# Altium PCB PCB_Incense.PcbDoc (part 1 of 3) (continued)
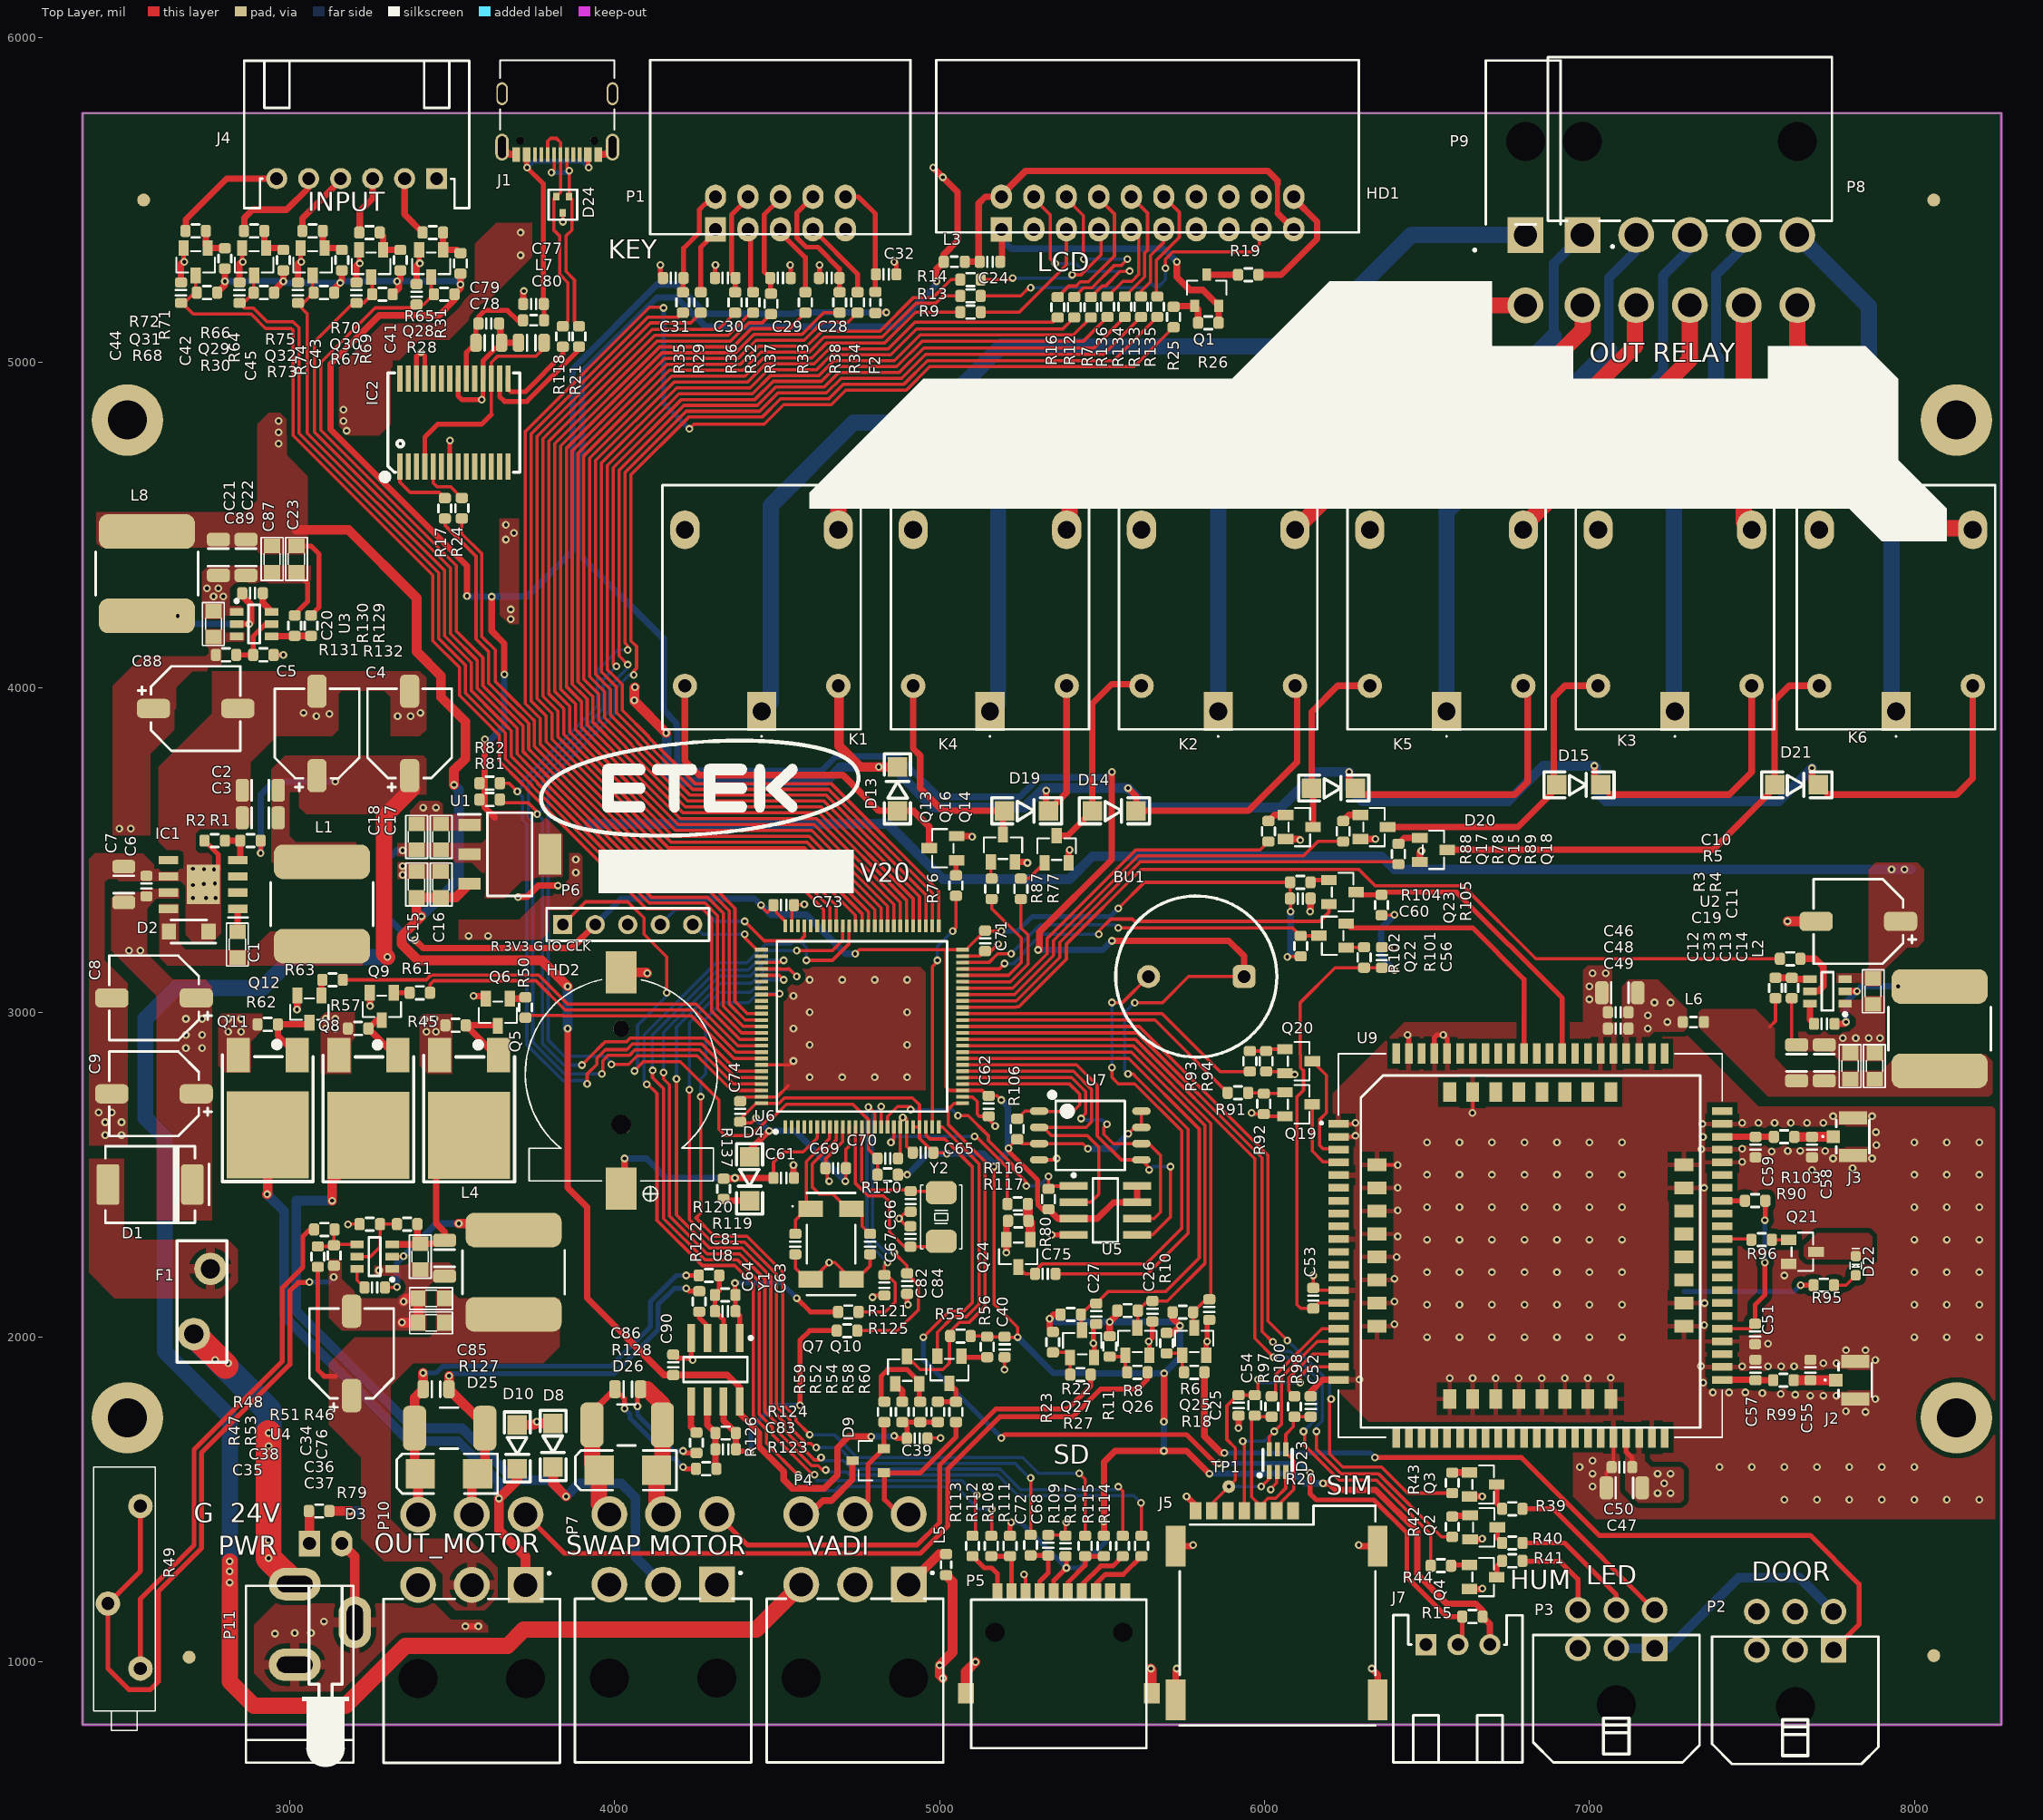
[diagram p0: Top Layer view]
## Components (designator, comment, footprint, x,y, rotation, side; value= is the part's Value field where it differs from the comment) (continued)
R38 "100R" "res 0603" 4692.1,5184.72 r90 top
R39 "470R" "res 0603" 6762.75,1471.65 r180 top
R40 "470R" "res 0603" 6762.75,1366.65 r180 top
R41 "470R" "res 0603" 6762.75,1311.65 r180 top
R42 "1K" "res 0603" 6577.75,1416.65 r270 top
R43 "1K" "res 0603" 6577.75,1551.65 r270 top
R44 "1K" "res 0603" 6542.75,1296.65 r180 top
R45 "10K" "res 0603" 3510,2960 r0 top
R46 "Res1" "res 0603" 3360.99,2347.91 r0 top value=47k
R47 "Res1" "res 0603" 3085.99,2247.91 r270 top value=390K
R48 "Res1" "res 0603" 3105.99,2331.41 r180 top value=15k
R49 "RPot" R_POT_RA 2490,1180 r270 top value=50K
R50 "1K" "res 0603" 3725,3015 r270 top
R51 "Res1" "res 0603" 3245.99,2347.91 r180 top value=10k
R52 "10K" "res 0603" 4884.93,1770.13 r90 top
R53 "Res1" "res 0603" 3135.99,2251.41 r270 top value=33k
R54 "5.1K" "res 0603" 4940,1770 r90 top
R55 "5.1K" "res 0603" 5063.91,2003.49 r180 top
R56 "10K" "res 0603" 5146.22,1969.95 r270 top
R57 "10K" "res 0603" 3210,2950 r0 top
R58 "5.1K" "res 0603" 4994.54,1770.13 r90 top
R59 "22R" "res 0603" 4830,1770 r270 top
R60 "22R" "res 0603" 5050,1770 r270 top
R61 "1K" "res 0603" 3400,3060 r0 top
R62 "10K" "res 0603" 2931.73,2962.72 r0 top
R63 "1K" "res 0603" 3131.49,3100 r0 top
R64 "100k, 0603" "res 0603" 2980,5315 r270 top value=100k
R65 "10K" "res 0603" 3440,5400 r0 top
R66 "10K" "res 0603" 2890,5405 r0 top
R67 "10K" "res 0603" 3285,5210 r180 top
R68 "10K" "res 0603" 2745,5215 r180 top
R69 "100k, 0603" "res 0603" 3340,5315 r270 top value=100k
R70 "10K" "res 0603" 3245,5400 r0 top
R71 "100k, 0603" "res 0603" 2800,5320 r270 top value=100k
R72 "10K" "res 0603" 2710,5405 r0 top
R73 "10K" "res 0603" 3105,5215 r180 top
R74 "100k, 0603" "res 0603" 3160,5315 r270 top value=100k
R75 "10K" "res 0603" 3070,5405 r0 top
R76 "1K" "res 0603" 5050,3390 r270 top
R77 "1K" "res 0603" 5250,3380 r270 top
R78 "1K" "res 0603" 6242.01,3557.24 r270 top
R79 "Res1" "res 0603" 3090,1465 r0 top value=10k
R80 "10K" "res 0603" 5335,2425 r90 top
R81 "5.1K" "res 0603" 3615,3655 r0 top
R82 "5.1K" "res 0603" 3615,3705 r0 top
R87 "1K" "res 0603" 5160,3380 r270 top
R88 "1K" "res 0603" 6012.01,3557.24 r270 top
R89 "1K" "res 0603" 6412.01,3487.24 r270 top
R90 "10K" "res 0603" 7510,2420 r180 top
R91 "1K" "res 0603" 5918.06,2752.19 r180 top
R92 "10K" "res 0603" 5997.65,2718.27 r270 top
R93 "1K" "res 0603" 5954.92,2849.37 r270 top
R94 "10K" "res 0603" 6004.92,2849.37 r270 top
R95 "1K" "res 0603" 7721.49,2160 r180 top
R96 "470R" "res 0603" 7530,2300 r180 top
R97 "10K" "res 0603" 5970,1790 r270 top
R98 "22R" "res 0603" 6092.08,1786.47 r270 top
R99 "0R" "res 0603" 7597.29,1867.64 r0 top
R100 "22R" "res 0603" 6022.08,1786.47 r270 top
R101 "10K" "res 0603" 6306.38,3168.74 r90 top
R102 "5.1K" "res 0603" 6111.38,3203.74 r90 top
R103 "0R" "res 0603" 7599.18,2616.78 r0 top
R104 "10K" "res 0603" 6110,3400 r0 top
R105 "5.1K" "res 0603" 6360,3330 r90 top
R106 "10K" "res 0603" 5238.74,2640.83 r90 top
R107 "10K" "res 0603" 5505.63,1357.44 r270 top
R108 "10K" "res 0603" 5216.74,1357.44 r270 top
R109 "22R" "res 0603" 5447.85,1357.44 r270 top
R110 "100k, 0603" "RES 0603" 4840,2500 r180 top value=100k
R111 "22R" "res 0603" 5280,1360 r270 top
R112 "22R" "res 0603" 5158.96,1357.44 r270 top
R113 "22R" "res 0603" 5101.18,1357.44 r270 top
R114 "22R" "res 0603" 5621.18,1357.44 r270 top
R115 "22R" "res 0603" 5563.4,1357.44 r270 top
R116 "470R" "res 0603" 5240,2410 r180 top
R117 "10K" "res 0603" 5242,2358.01 r180 top
R118 "22R" "res 0603" 3840,5080 r270 top
R119 "10K" "res 0603" 4340,2130 r0 top
R120 "1K" "res 0603" 4290,2190 r180 top
R121 "470R" "res 0603" 4718.96,2077.75 r0 top
R122 "1K" "res 0603" 4260,2110 r90 top
R123 "1K" "res 0603" 4281.49,1595 r180 top
R124 "10K" "res 0603" 4341.49,1705 r0 top
R125 "470R" "res 0603" 4715,2020 r180 top
R126 "1K" "res 0603" 4251.49,1675 r270 top
R127 "CR2512-F/-1R00ELF" "res 2512" 3490,1720 r180 top value=0.05R
R128 "CR2512-F/-1R00ELF" "res 2512" 4036.3,1730 r180 top value=0.05R
R129 "Res1" "res 0603" 3065,4190 r90 top value=150K
R130 "Res1" "res 0603" 3015,4190 r90 top value=20k
R131 "Res1" "res 0603" 2803.51,4100 r0 top value=150K
R132 "Res1" "res 0603" 2918.51,4100 r180 top value=20k
R133 "100R" "res 0603" 5620,5171.49 r90 top
R134 "100R" "res 0603" 5570,5171.49 r90 top
R135 "100R" "res 0603" 5670,5171.49 r90 top
R136 "100R" "res 0603" 5516.67,5171.49 r90 top
R137 "10K" "res 0603" 4335,2456.49 r270 top
TP1 "TP SMD" TESTPOINT 5890,1540 r90 top
U1 "LM1117MPX-3.3V" SOT223 3676.65,3486.42 r0 top
U2 "TPS54302DDCR" SOT23-6 7732.8,3064.61 r180 top
U3 "TPS54302DDCR" SOT23-6 2890,4195 r0 top
U4 "TPS54302DDCR" SOT23-6 3260.99,2247.99 r180 top
U5 "MB85RS128TYPNF-GS-BCERE1" SOIC-8 5510,2390 r0 top
U6 "STM32F103VET6" LQFP100_N 4760.83,2956.26 r90 top locked
U7 "W25Q32JVSSIQ" "SOIC-8 208MIL" 5463.74,2620.83 r270 top
U8 "LM358BIDGKR" SOIC-8 4310,1900 r270 top value=LM358BAIDR
U9 "LTE CAT4" SIM7600C_L1 6818.11,2282.24 r0 top locked
Y1 "32.768Khz" MC-306 4665.79,2286.77 r270 top
Y2 "8MHz" xtal_5032 5005,2370 r270 top

## Footprints (in the part's own frame and the unit in brackets; to place one, negate y for a bottom-side part, rotate by r counter-clockwise, add the part's x,y. Pads: shape width x height; smd on the part's side, far side on the other; paste and mask are expansions set on the pad)
0805 [mil] "Compoment SMD 80x50mil"
  rect 45x50 smd: 1(0,0) 2(80,0)
  silkscreen extent -26,-34 106,33, body extent 0,-25 80,25, height 24
693021020811 [mm] "MicroSIM Card  Connector SMT"
  rect 0.9x1.35 smd: C1(-5.14,8.765) C2(-2.6,8.765) C3(-0.06,8.765) C5(-6.41,8.765) C6(-3.87,8.765) C7(-1.33,8.765) CD(1.21,8.765)
  rect 1.55x3.2 smd: Shell(-7.97,-6.01) Shell(-7.97,6.01) Shell(7.83,-6.01) Shell(7.83,6.01)
  silkscreen extent -7.65,-8 7.65,9.16, body extent -8.27,-8 8.22,9.16, height 1.32
AMPHENOL_10155435-00011LF [mm]
  rect 0.6x1.14 smd: A1_B12(-3.2,4.75) A4_B9(-2.4,4.75) B1_A12(3.2,4.75) B4_A9(2.4,4.75)
  rect 0.3x1.14 smd: A5(-1.25,4.75) A6(-0.25,4.75) A7(0.25,4.75) A8(1.25,4.75) B5(1.75,4.75) B6(0.75,4.75) B7(-0.75,4.75) B8(-1.75,4.75)
  oval 1.05x2.1 hole 0.6 slot 1.7 at 90 deg: SH1(-4.32,4.18) SH2(4.32,4.18)
  oval 0.9x1.8 hole 0.6 slot 1.4 at 90 deg: SH3(-4.32,0) SH4(4.32,0)
  round 0.65 hole 0.65 unplated: ""(-2.89,3.68) ""(2.89,3.68)
  silkscreen extent -4.47,-2.6 4.47,2.81, body extent -4.47,-2.6 4.47,5, height 3.26
"BATTERY HOLDER CR1220 SMD" [mm]
  rect 3.3x2.4 smd mask+0.051: 1(8.463,0) 2(-8.462,0)
  round 1.25 hole 1.25 mask+0.076: ""(-4.048,0)
  round 1.55 hole 1.55 mask+0.076: ""(3.443,0)
  silkscreen extent -7.88,-7.5 9.43,7.5, body extent -9.46,-7.37 9.35,7.38, height 4.23
BUZZ_5V_D12X7.5MM [mm] "BUZZER 5V D12MM PITCH 7.5MM"
  rrect50% 1.8x1.8 hole 1 mask+0.076: 1(-3.734,0)
  round 1.8 hole 1 mask+0.076: 2(3.734,0)
  silkscreen extent -6.3,-6.3 6.3,6.3, body extent -6.08,-6.08 6.08,6.08, height 7
"CAP 0603" [mm] "Chip Capacitor 0603"
  rrect50% 0.8x0.95 smd mask+0.051: 1(-0.8,0) 2(0.8,0)
  silkscreen extent -0.2,-0.4 0.2,0.4, body extent -0.8,-0.4 0.8,0.4, height 0.81
"cap 0603" [mm] "Chip Capacitor 0603"
  rrect50% 0.8x0.95 smd mask+0.051: 1(-0.8,0) 2(0.8,0)
  silkscreen extent -0.2,-0.4 0.2,0.4, body extent -0.8,-0.4 0.8,0.4, height 0.81
"CAP 0805" [mm]
  rrect50% 0.9x1.4 smd mask+0.051: 1(-1,0) 2(1,0)
  silkscreen extent -0.33,-0.6 0.33,0.6, body extent -1,-0.62 1,0.63, height 0.61
"CAP 1206" [mm]
  rrect50% 1.05x1.8 smd mask+0.051: 1(-1.4,0) 2(1.4,0)
  silkscreen extent -0.68,-0.8 0.68,0.8, body extent -1.6,-0.8 1.6,0.8, height 0.79
"CAP ALUM SMD-D Package 6.3x5.4mm" [mm] "CAP ALUM SMD-D Package"
  rrect50% 2.6x1.5 smd mask+0.051: 1(3.3,0) 2(-3.3,0)
  silkscreen extent -3.5,-3.3 4.5,3.3, body extent -3.5,-3.3 3.5,3.3, height 5.41
CONUFL001-SMD [mm]
  rect 1x1.05 smd: 1(0,-1.525)
  rect 1.05x2.2 smd: 2(-1.475,0) 3(1.475,0)
  silkscreen extent -1.3,-2.38 1.3,1.3, body extent -1.5,-1.5 1.5,1.59, height 1.25
DC-in [mil] "Jac DC input"
  oval 100x160 hole 50 slot 110 at 90 deg: 1(125,100) 2(-123,100)
  oval 160x100 hole 50 slot 110 at 0 deg: 3(6.89,-85)
  silkscreen extent -425,-80 120,250, body extent -411,-96 133,278, height 434
diode_1206 [mil]
  rect 60x60 smd: 1(0,0) 2(-135,0)
  silkscreen extent -176,-40 40,40
DO-214AB [mil]
  rrect20% 70x125 smd mask+2: 1(129.99,-0.01)
  rrect30% 70x125 smd mask+2: 2(-130.01,-0.01)
  silkscreen extent -181,-122 138,122, body extent -157,-116 156,116, height 91
"FB 0603" [mm]
  rrect50% 0.8x0.95 smd mask+0.051: 1(-0.825,0) 2(0.825,0)
  silkscreen extent -0.25,-0.4 0.25,0.4, body extent -0.8,-0.4 0.8,0.4, height 0.81
FT232 [mm]
  rect 0.4x2.05 smd mask+0.051: 1(-4.225,-3.451) 2(-3.575,-3.451) 3(-2.925,-3.451) 4(-2.275,-3.451) 5(-1.625,-3.451) 6(-0.975,-3.451) 7(-0.325,-3.451) 8(0.325,-3.451) 9(0.975,-3.451) 10(1.625,-3.451) 11(2.275,-3.451) 12(2.925,-3.451) 13(3.575,-3.451) 14(4.225,-3.451) 15(4.225,3.451) 16(3.575,3.451) 17(2.925,3.451) 18(2.275,3.451) 19(1.625,3.451) 20(0.975,3.451) 21(0.325,3.451) 22(-0.325,3.451) 23(-0.975,3.451) 24(-1.625,3.451) 25(-2.275,3.451) 26(-2.925,3.451) 27(-3.575,3.451) 28(-4.225,3.451)
  silkscreen extent -5.64,-4.5 5.16,3.89, body extent -5.16,-3.88 5.17,3.88, height 2.16
HDR1X5 [mm] "Connector; Header; 5 Position"
  rect 1.5x1.5 hole 0.9: 1(0,0)
  round 1.5 hole 0.9: 2(2.54,0) 3(5.08,0) 4(7.62,0) 5(10.16,0)
  silkscreen extent -1.27,-1.27 11.43,1.27
"HDR2x1 4_2MM FEMALE TH RA" [mm]
  rect 2.8x2.8 hole 1.8 mask+0.076: 1(0,7.3)
  round 2.8 hole 1.8 mask+0.076: 2(0,12.8)
  round 0 hole 3.05 unplated paste+0 mask+0.076: ""(0,0)
  silkscreen extent -2.74,-6.33 4.06,8.57, body extent -2.69,-6.6 3.11,13.34, height 11.4
"HDR2x3 4_2MM FEMALE TH RA" [mm]
  rect 2.8x2.8 hole 1.85 mask+0.076: 1(4.2,7.3)
  round 2.8 hole 1.85 mask+0.076: 2(0,7.3) 3(-4.2,7.3) 4(4.2,12.8) 5(0,12.8) 6(-4.2,12.8)
  round 0 hole 3.05 unplated paste+0 mask+0.076: ""(-4.2,0) ""(4.2,0)
  silkscreen extent -6.9,-6.6 6.9,8.3, body extent -6.9,-6.59 7.3,13.34, height 11.4
"HDR2x5 4_2MM FEMALE TH RA" [mm]
  rect 2.8x2.8 hole 1.85 mask+0.076: 1(8.4,7.3)
  round 2.8 hole 1.85 mask+0.076: 2(4.2,7.3) 3(0,7.3) 4(-4.2,7.3) 5(-8.4,7.3) 6(8.4,12.8) 7(4.2,12.8) 8(0,12.8) 9(-4.2,12.8) 10(-8.4,12.8)
  round 0 hole 3.05 unplated paste+0 mask+0.076: ""(-8.4,0) ""(8.4,0)
  silkscreen extent -11.1,-6.6 11.1,8.3, body extent -11.1,-6.59 11.5,13.35, height 11.4
IDE-10-RA [mil]
  rect 65x75 hole 39.37 mask+3: 1(200,50)
  oval 65x75 hole 39.37 mask+3: 2(200,-50) 3(100,50) 4(100,-50) 5(0,50) 6(0,-50) 7(-100,50) 8(-100,-50) 9(-200,50) 10(-200,-50)
  silkscreen extent -400,-471 401,65, body extent -401,-471 400,63, height 359
IDE_20-RA [mil]
  rect 65x75 hole 39.37 mask+3: 1(450,50)
  oval 65x75 hole 39.37 mask+3: 2(450,-50) 3(350,50) 4(350,-50) 5(250,50) 6(250,-50) 7(150,50) 8(150,-50) 9(50,50) 10(50,-50) 11(-50,50) 12(-50,-50) 13(-150,50) 14(-150,-50) 15(-250,50) 16(-250,-50) 17(-350,50) 18(-350,-50) 19(-450,50) 20(-450,-50)
  silkscreen extent -650,-471 650,60, body extent -651,-471 651,63, height 359
"IND 8x8MM" [mm]
  rrect50% 2.7x7.5 smd mask+0.051: 1(-3.3,0) 2(3.3,0)
  silkscreen extent -1.7,-4 1.7,4, body extent -4,-4 4,4, height 4.01
LED3MM_RA [mil]
  rect 65x80 hole 40: 1(-50,0)
  oval 65x80 hole 40: 2(50,0)
  silkscreen extent -73,-688 73,-132
"LED 0603" [mm]
  rrect50% 0.8x0.8 smd mask+0.051: 1(-0.75,0) 2(0.75,0)
  silkscreen extent -0.3,-0.45 1.33,0.44, body extent -0.74,-0.4 0.86,0.4, height 0.6
LQFP100_N [mm]
  rect 1.016x0.3 smd: 1(-7.865,6) 2(-7.865,5.5) 3(-7.865,5) 4(-7.865,4.5) 5(-7.865,4) 6(-7.865,3.5) 7(-7.865,3) 8(-7.865,2.5) 9(-7.865,2) 10(-7.865,1.5) 11(-7.865,1) 12(-7.865,0.5) 13(-7.865,0) 14(-7.865,-0.5) 15(-7.865,-1) 16(-7.865,-1.5) 17(-7.865,-2) 18(-7.865,-2.5) 19(-7.865,-3) 20(-7.865,-3.5) 21(-7.865,-4) 22(-7.865,-4.5) 23(-7.865,-5) 24(-7.865,-5.5) 25(-7.865,-6) 51(7.865,-6) 52(7.865,-5.5) 53(7.865,-5) 54(7.865,-4.5) 55(7.865,-4) 56(7.865,-3.5) 57(7.865,-3) 58(7.865,-2.5) 59(7.865,-2) 60(7.865,-1.5) 61(7.865,-1) 62(7.865,-0.5) 63(7.865,0) 64(7.865,0.5) 65(7.865,1) 66(7.865,1.5) 67(7.865,2) 68(7.865,2.5) 69(7.865,3) 70(7.865,3.5) 71(7.865,4) 72(7.865,4.5) 73(7.865,5) 74(7.865,5.5) 75(7.865,6)
  rect 0.3x1.016 smd: 26(-6,-7.865) 27(-5.5,-7.865) 28(-5,-7.865) 29(-4.5,-7.865) 30(-4,-7.865) 31(-3.5,-7.865) 32(-3,-7.865) 33(-2.5,-7.865) 34(-2,-7.865) 35(-1.5,-7.865) 36(-1,-7.865) 37(-0.5,-7.865) 38(0,-7.865) 39(0.5,-7.865) 40(1,-7.865) 41(1.5,-7.865) 42(2,-7.865) 43(2.5,-7.865) 44(3,-7.865) 45(3.5,-7.865) 46(4,-7.865) 47(4.5,-7.865) 48(5,-7.865) 49(5.5,-7.865) 50(6,-7.865) 76(6,7.865) 77(5.5,7.865) 78(5,7.865) 79(4.5,7.865) 80(4,7.865) 81(3.5,7.865) 82(3,7.865) 83(2.5,7.865) 84(2,7.865) 85(1.5,7.865) 86(1,7.865) 87(0.5,7.865) 88(0,7.865) 89(-0.5,7.865) 90(-1,7.865) 91(-1.5,7.865) 92(-2,7.865) 93(-2.5,7.865) 94(-3,7.865) 95(-3.5,7.865) 96(-4,7.865) 97(-4.5,7.865) 98(-5,7.865) 99(-5.5,7.865) 100(-6,7.865)
  silkscreen extent -8.35,-6.65 6.65,6.87, body extent -8,-8 13,8, height 1.6
MC-306 [mm]
  rect 1.3x1.9 smd: 1(-2.75,-1.6) 2(2.75,-1.6) 3(2.75,1.6) 4(-2.75,1.6)
  silkscreen extent -4,-3.05 4,1.9, body extent -4,-2.42 4,2.42, height 2.6
"PHM-3x2H 3.0 - RA" [mm]
  round 1 hole 3.048: 0(0.015,-5.922)
  rrect10% 2x2 hole 1.3 mask+0.076: 1(3,-1.5)
  round 2 hole 1.3 mask+0.076: 2(0,-1.5) 3(-3,-1.5) 4(3,1.5) 5(0,1.5) 6(-3,1.5)
  silkscreen extent -6.5,-10.42 6.52,-0.46, body extent -6.32,-10.43 6.28,1.82, height 8.65
R_POT_RA [mil]
  round 75 hole 40: 1(-300,50) 2(200,50) 3(0,-50)
  silkscreen extent -420,-94 390,96, body extent -420,-94 390,96, height 260
"res 0603" [mm]
  rrect50% 0.8x0.95 smd mask+0.051: 1(-0.8,0) 2(0.8,0)
  silkscreen extent -0.3,-0.5 0.3,0.5, body extent -0.8,-0.4 0.8,0.4, height 0.55
"RES 0603" [mm]
  rrect50% 0.8x0.95 smd mask+0.051: 1(-0.8,0) 2(0.8,0)
  silkscreen extent -0.3,-0.5 0.3,0.5, body extent -0.8,-0.4 0.8,0.4, height 0.55
"res 2512" [mm]
  rrect50% 1.8x3.5 smd mask+0.051: 1(-2.8,0) 2(2.7,0)
  silkscreen extent -0.7,-1.6 0.7,1.6, body extent -3.17,-1.63 3.18,1.63, height 0.62
SC-70-6 [mm]
  rect 1.1x0.4 smd: 1(-0.9,0.65) 2(-0.9,0) 3(-0.9,-0.65) 4(0.9,-0.65) 5(0.878,0) 6(0.9,0.65)
  silkscreen extent -1.27,-1.14 0.89,1.52
SD-01A [mm]
  rect 0.8x1.3 smd mask+0.051: 1(2.9,12.25) 2(1.8,12.25) 3(0.7,12.25) 4(-0.4,12.25) 5(-1.5,12.25) 6(-2.6,12.25) 7(-3.7,12.25) 8(-4.8,12.25) SW(4,12.25) SW(5.2,12.25)
  rect 1.25x1.6 smd mask+0.051: 9(-7.275,4.3) 10(7.275,4.3)
  round 1.2 hole 1.5 paste+0 mask+0.076: ""(-5,9.05)
  round 0 hole 1.5 paste+0 mask+0.076: ""(5,9.05)
  silkscreen extent -6.85,0 6.85,11.6
SIM7600C_L1 [mm]
  rect 1.6x0.6 smd: 1(-15,9.5) 2(-15,8.5) 3(-15,7.5) 4(-15,6.5) 5(-15,5.5) 6(-15,4.5) 7(-15,3.5) 8(-15,2.5) 9(-15,1.5) 10(-15,0.5) 11(-15,-0.5) 12(-15,-1.5) 13(-15,-2.5) 14(-15,-3.5) 15(-15,-4.5) 16(-15,-5.5) 17(-15,-6.5) 18(-15,-7.5) 19(-15,-8.5) 20(-15,-9.5) 41(15,-9.5) 42(15,-8.5) 43(15,-7.5) 44(15,-6.5) 45(15,-5.5) 46(15,-4.5) 47(15,-3.5) 48(15,-2.5) 49(15,-1.5) 50(15,-0.5) 51(15,0.5) 52(15,1.5) 53(15,2.5) 54(15,3.5) 55(15,4.5) 56(15,5.5) 57(15,6.5) 58(15,7.5) 59(15,8.5) 60(15,9.5) 81(-15,-10.5) 82(15,-10.5) 85(15,10.5)
  rect 0.6x1.6 smd: 21(-9.5,-15) 22(-8.5,-15) 23(-7.5,-15) 24(-6.5,-15) 25(-5.5,-15) 26(-4.5,-15) 27(-3.5,-15) 28(-2.5,-15) 29(-1.5,-15) 30(-0.5,-15) 31(0.5,-15) 32(1.5,-15) 33(2.5,-15) 34(3.5,-15) 35(4.5,-15) 36(5.5,-15) 37(6.5,-15) 38(7.5,-15) 39(8.5,-15) 40(9.5,-15) 61(9.5,15) 62(8.5,15) 63(7.5,15) 64(6.5,15) 65(5.5,15) 66(4.5,15) 67(3.5,15) 68(2.5,15) 69(1.5,15) 70(0.5,15) 71(-0.5,15) 72(-1.5,15) 73(-2.5,15) 74(-3.5,15) 75(-4.5,15) 76(-5.5,15) 77(-6.5,15) 78(-7.5,15) 79(-8.5,15) 80(-9.5,15) 83(10.5,-15) 84(-10.5,-15) 86(-10.5,15) 87(10.5,15)
  rect 1.5x1 smd: 88(-12,6.3) 89(-12,4.5) 90(-12,2.7) 91(-12,0.9) 92(-12,-0.9) 93(-12,-2.7) 94(-12,-4.5) 95(-12,-6.3) 104(12,-6.3) 105(12,-4.5) 106(12,-2.7) 107(12,-0.9) 108(12,0.9) 109(12,2.7) 110(12,4.5) 111(12,6.3)
  rect 1x1.5 smd: 96(-6.3,-12) 97(-4.5,-12) 98(-2.7,-12) 99(-0.9,-12) 100(0.9,-12) 101(2.7,-12) 102(4.5,-12) 103(6.3,-12) 112(6.3,12) 113(4.5,12) 114(2.7,12) 115(0.9,12) 116(-0.9,12) 117(-2.7,12) 118(-4.5,12) 119(-6.3,12)
  silkscreen extent -16.43,-15 15,15, body extent -15,-14.99 15,15.01, height 3
SMA [mm]
  rect 1.12x1.22 smd: 1(-1.55,0) 2(1.55,0)
  silkscreen extent -2.11,-0.9 1.4,0.9, body extent -1.8,-0.9 1.8,0.9, height 1.43
SMB [mm] "DO-214-AA/SMB; 2 C-Bend Leads; Body 5.3 x 3.6 mm, inc. leads (LxW)"
  rect 2.3x2.3 smd: 1(-2.25,0) 2(2.25,0)
  silkscreen extent -3.8,-1.55 4.1,1.55
SOIC127P600X170-9N [mm]
  rect 1.525x0.65 smd: 1(-2.712,1.905) 2(-2.712,0.635) 3(-2.712,-0.635) 4(-2.712,-1.905) 5(2.712,-1.905) 6(2.712,-0.635) 7(2.712,0.635) 8(2.712,1.905)
  rect 2.6x3.1 smd: 9(0,0)
  silkscreen extent -3.47,2.58 -1.95,2.58, body extent -3.01,-2.45 3.01,2.45, height 1.57
SOIC-8 [mm] "SOIC, 8-Leads, Body 5,0x4,0mm (max), Pitch 1,27mm, IPC Medium Density"
  rect 2.2x0.6 smd mask+0.051: 1(-2.475,1.905) 2(-2.475,0.635) 3(-2.475,-0.635) 4(-2.475,-1.905) 5(2.475,-1.905) 6(2.475,-0.635) 7(2.475,0.635) 8(2.475,1.905)
  silkscreen extent -2.6,-2.5 0.98,2.88, body extent -3.2,-2.5 3.2,2.5, height 1.75
"SOIC-8 208MIL" [mm]
  oval 0.6x1.45 smd mask+0.051: 1(-1.905,-4) 2(-0.635,-4) 3(0.635,-4) 4(1.905,-4) 5(1.905,4) 6(0.635,4) 7(-0.635,4) 8(-1.905,4)
  silkscreen extent -3.37,-3.18 2.7,2.7, body extent -2.69,-4.05 2.69,4.05, height 1
SOT23-6 [mm] "SOT23, 5-Leads, Body 3.00x2.85mm, Pitch 0.95mm, IPC Medium Density"
  rect 1.05x0.6 smd mask+0.051: 1(-1.375,0.95) 2(-1.375,0) 3(-1.375,-0.95) 4(1.375,-0.95) 5(1.375,0) 6(1.375,0.95)
  silkscreen extent -1.5,-1.5 0.45,1.92, body extent -1.4,-1.45 1.4,1.45, height 1.45
SOT223 [mm]
  rect 1.75x0.95 smd: 1(-3.15,2.3) 2(-3.15,0) 3(-3.15,-2.3)
  rect 1.75x3.2 smd: 4(3.15,0)
  silkscreen extent -4.03,-3.25 1.75,3.25, body extent -3.5,-3.25 3.5,3.25, height 1.68
SOT-23 [mil]
  rect 48x31.5 smd mask+2: 1(-41.99,37) 2(-41.99,-37) 3(42.01,0)
  silkscreen extent -33,-59 33,59, body extent -49,-59 49,59, height 41
SOT-23-3 [mm]
  rect 0.95x0.7 smd mask+0.051: 1(1.225,-0.95) 2(1.225,0.95) 3(-1.225,0)
  silkscreen extent -0.75,-1.55 0.35,1.55, body extent -1.25,-1.5 1.25,1.5, height 1.09
SOT-416 [mm] "NXP recommended footprint."
  rect 0.6x0.5 smd mask+0.051: 1(-0.65,0.5) 2(-0.65,-0.5) 3(0.65,0)
  silkscreen extent -1.17,-1.12 1.17,1.12, body extent -0.8,-0.9 0.8,0.9, height 0.82
srd24vdcslc [mil]
  rect 120x90 hole 55: 1(0,0)
  round 75 hole 40: 2(78.74,-236.22) 5(78.74,236.22)
  oval 120x90 hole 55: 3(559.06,-236.22) 4(559.06,236.22)
  silkscreen extent -79,-305 697,305, body extent -55,-305 697,305, height 606